# KiCad board AmigaPCI 68040.kicad_pcb (continued)
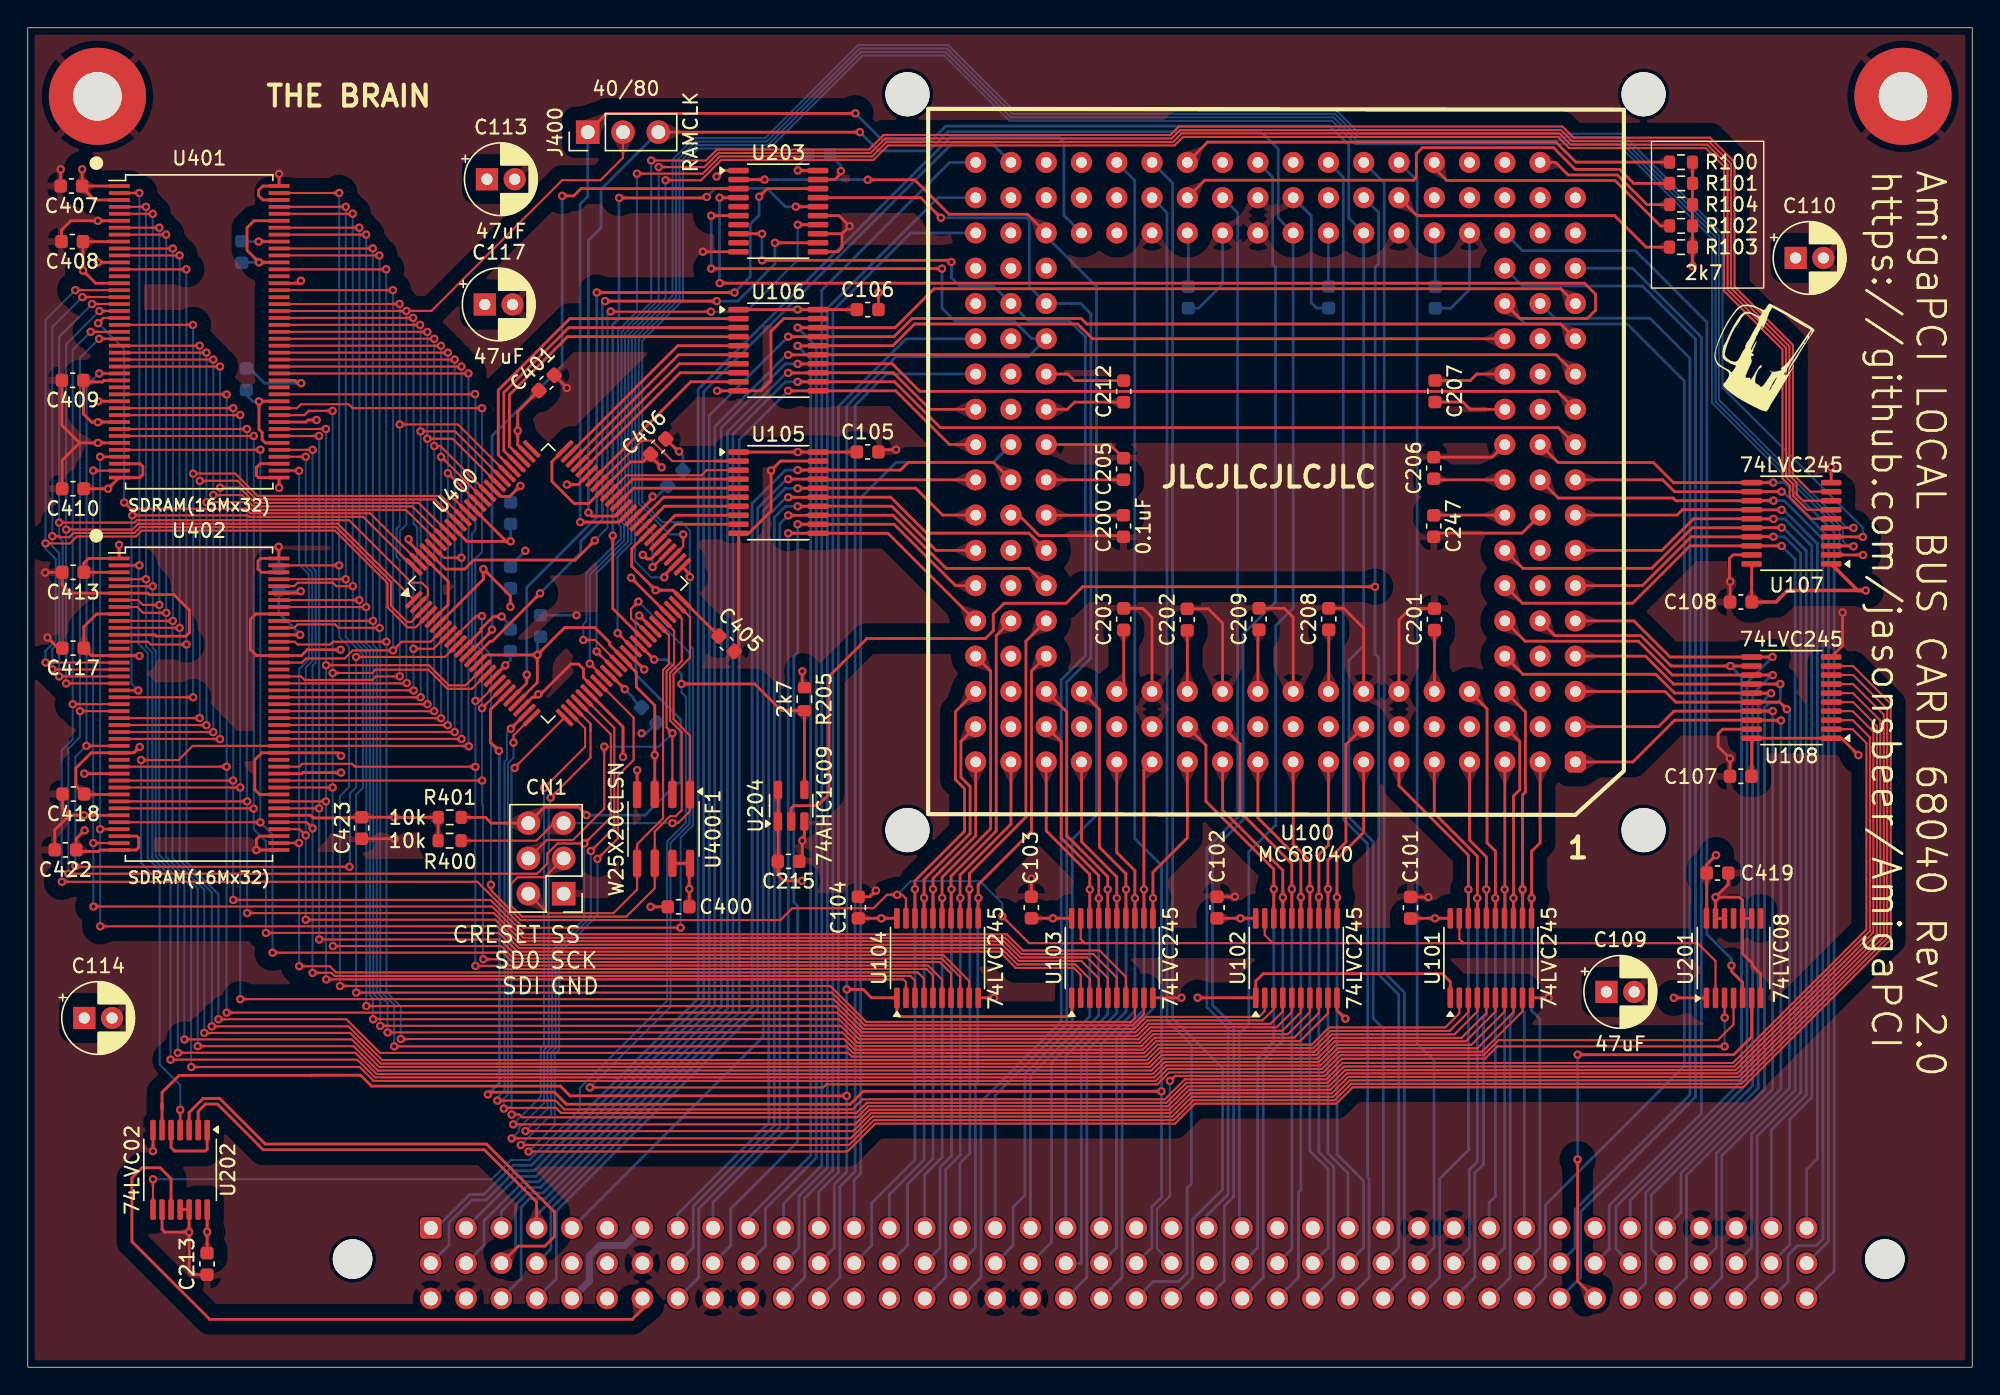
[diagram p0: board, top side]
## Routing (per net, layer and track width the routed paths; a pad name or vN(x,y) marks a point on that pad's centre or on a via; arc(x,y) is an arc through that point) (continued)
D0: length 41.5
  Top w0.2: U101.12 107.62,34.41 107.62,34.41 107.62,34.42 107.62,41.22 107.83,41.43 107.83,47.19 U100.39
  Bottom w0.2: v1(107.63,34.41) 107.63,25.69 107.76,25.56 CN100.a32
D1: length 44
  Top w0.2: U101.13 106.97,41.14 107.43,41.59 107.43,45.05 U100.21
  Bottom w0.2: v1(106.98,33.78) 106.98,25.37 106.73,25.13 106.73,6.47 CN100.c31
D2: length 41
  Top w0.2: U101.15 105.67,37.17 105.07,37.77 105.07,47.41 U100.40
  Bottom w0.2: v1(105.67,33.78) 105.67,12.31 105.22,11.86 CN100.a31
D3: length 38.5
  Top w0.2: 108.27,32.33 108.27,33.78 v1(108.28,33.78) 108.27,33.79 108.27,37.15 108.89,37.76 U100.2
  Bottom w0.2: v1(108.28,33.78) 108.28,25.69 108.87,25.1 108.87,8.61 CN100.b32
D4: length 38.7
  Top w0.2: U100.3 106.35,32.36
  Bottom w0.2: CN100.b31 106.33,8.61 106.33,26 106.38,26.04 106.38,34.37 v1(106.34,34.41)
D5: length 42.2
  Top w0.2: U101.16 105.02,36.75 103.81,37.96 U100.4
  Bottom w0.2: v1(105.02,34.41) 105.02,25.34 104.82,25.14 104.82,14.61 104.19,13.99 104.19,6.47 CN100.c30
D6: length 39.5
  Top w0.2: U100.5 101.27,39.9 104.37,36.8 U101.17
  Bottom w0.2: v1(104.37,33.78) 104.37,14.8 103.79,14.23 103.79,8.61 CN100.b30
D7: length 44.3
  Top w0.2: U100.6 98.73,41.87 103.72,36.88 U101.18
  Bottom w0.2: v1(103.73,34.41) 103.73,15.74 103.78,15.69 101.65,13.57 101.65,6.47 CN100.c29
D8: length 39.9
  Top w0.2: U100.25 94.91,44.85 94.91,37.82 93.61,36.52 v1(93.61,34.44) 93.61,32.33
  Bottom w0.2: CN100.a27 95.06,13.97 93.61,15.42 v1(93.61,34.44)
D9: length 39.7
  Top w0.2: U102.11 v1(94.26,33.84) 94.26,36.61 96.19,38.53 U100.7
  Bottom w0.2: v1(94.26,33.84) 94.26,15.33 96.17,13.42 96.17,8.61 CN100.b27
D10: length 41.5
  Top w0.2: U100.8 93.65,37.6 92.96,36.92 v1(92.96,33.86) U102.13
  Bottom w0.2: CN100.c26 94.03,6.47 94.03,14.43 92.96,15.5 v1(92.96,33.86)
D11: length 39.7
  Top w0.2: U102.14 v1(92.31,34.43) 92.31,36.48 91.11,37.68 U100.9
  Bottom w0.2: v1(92.31,34.43) 92.31,15.58 93.63,14.26 93.63,8.61 CN100.b26
D12: length 42.1
  Top w0.2: U100.10 88.57,39.56 91.66,36.47 v1(91.66,33.85) U102.15
  Bottom w0.2: v1(91.66,33.85) 91.66,12.75 91.49,12.58 91.49,6.47 CN100.c25
D13: length 43.2
  Top w0.2: U100.11 86.03,40.12 90.36,35.79 v1(90.36,33.84) U102.17
  Bottom w0.2: v1(90.36,33.84) 90.36,23.52 88.95,22.11 88.95,6.47 CN100.c24
D14: length 42.7
  Top w0.2: U100.12 83.49,38.12 81.01,35.65 81.01,32.33
  Bottom w0.2: v1(81.02,33.78) 81.02,25.83 78.79,23.61 78.79,6.47 CN100.c20
D15: length 39.7
  Top w0.2: U103.12 80.36,43.01 U100.13
  Bottom w0.2: CN100.b20 78.39,8.61 78.39,23.77 80.37,25.75 v1(80.37,34.41)
D16: length 43.2
  Top w0.2: 91.01,32.33 v1(91.01,34.44) 91.01,36.27 87.29,39.99 87.29,44.87 U100.29
  Bottom w0.2: CN100.b25 91.01,8.53 v1(91.01,34.44)
D17: length 36.6
  Top w0.2: U103.13 79.71,35.77 78.41,37.07 U100.14
  Bottom w0.2: CN100.a20 77.28,23.24 79.72,25.68 v1(79.72,33.78)
D18: length 44.3
  Top w0.2: U100.30 84.83,44.79 84.83,40.76 89.71,35.87 v1(89.71,34.43) U102.18
  Bottom w0.2: v1(89.71,34.43) 89.71,23.43 88.55,22.27 88.55,8.61 CN100.b24
D19: length 40.8
  Top w0.2: U100.15 75.87,37.85 78.41,35.31 U103.15
  Bottom w0.2: v1(78.41,33.78) 78.41,25.5 75.85,22.95 75.85,7.51 75.83,7.49 CN100.b19
D20: length 38.7
  Top w0.2: U100.16 73.33,38.63 76.46,35.5 U103.18
  Bottom w0.2: v1(76.47,34.41) 76.47,25.26 72.2,20.99 CN100.a18
D21: length 42.7
  Top w0.2: U100.17 70.79,39.12 67.13,35.45 U104.13
  Bottom w0.2: CN100.c15 66.09,6.47 66.09,14.24 67.15,15.29 v1(67.15,33.8)
D22: length 43.7
  Top w0.2: U100.34 74.41,45.05 74.41,38.12 77.11,35.41 77.11,32.33
  Bottom w0.2: CN100.b18 73.71,9.01 73.71,21.94 77.11,25.33 v1(77.11,33.78)
D23: length 48.9
  Top w0.2: U103.14 79.06,35.55 77.16,37.45 77.16,47.38 U100.51
  Bottom w0.2: v1(79.08,34.41) 79.08,25.61 76.25,22.78 76.25,6.47 CN100.c19
D24: length 40.8
  Top w0.2: U100.18 68.25,38.27 65.18,35.2 U104.16
  Bottom w0.2: CN100.b14 63.34,8.79 63.34,13.18 65.18,15.02 v1(65.18,34.43)
D25: length 43.8
  Top w0.2: U100.52 74.81,47.19 74.81,38.28 77.76,35.33 U103.16
  Bottom w0.2: CN100.a19 74.74,22.4 77.76,25.42 v1(77.76,34.41)
D26: length 40.7
  Top w0.2: U100.36 67.19,45.07 67.19,42.49 67.85,41.83 67.85,38.44 64.54,35.13 v1(64.54,33.8) 64.54,32.34
  Bottom w0.2: v1(64.54,33.8) 64.54,14.95 62.04,12.45 CN100.a14
D27: length 47.8
  Top w0.2: U104.11 68.43,34.75 72.27,38.59 72.27,50.15 U100.58
  Bottom w0.2: v1(68.45,33.8) 68.4,33.75 68.4,20.58 68.23,20.41 68.23,8.61 CN100.b16
D28: length 47.5
  Top w0.2: U104.18 63.88,35.03 67.45,38.6 67.45,41.66 66.79,42.33 66.79,47.21 U100.54
  Bottom w0.2: CN100.b13 60.77,8.76 60.77,11.83 63.88,14.94 v1(63.88,34.43)
D29: length 48.4
  Top w0.2: U100.64 71.87,52.29 71.87,39.63 67.8,35.56 v1(67.8,34.43) 67.78,34.41 U104.12
  Bottom w0.2: CN100.a16 67.12,14.7 67.83,15.41 67.83,34.4 v1(67.8,34.43)
D30: length 50.9
  Top w0.2: U100.65 69.73,52.69 69.73,38.62 66.48,35.37 U104.14
  Bottom w0.2: v1(66.51,34.43) 66.51,15.22 65.69,14.4 65.69,8.61 CN100.b15
D31: length 45.1
  Top w0.2: U104.15 65.83,35.28 69.33,38.78 69.33,50.13 U100.60
  Bottom w0.2: v1(65.84,33.8) 65.84,15.11 64.58,13.85 CN100.a15
EMA0: length 57.3
  Top w0.15: U400.95 27.23,61.75 16.13,61.75 15.58,62.3 v1(12.87,62.3) ; v1(12.87,73.07) 12.86,73.07 U401.25 ; U402.25 12.85,46.25 v1(12.86,46.24)
  Bottom w0.15: v1(12.87,73.07) v1(12.87,62.3) 12.87,46.24 v1(12.86,46.24)
EMA1: length 58.2
  Top w0.15: v1(13.36,62.81) 15.43,62.81 16.24,62 27.68,62 U400.94 ; U401.26 v1(13.36,72.57) ; v1(13.36,45.74) 13.35,45.75 U402.26
  Bottom w0.15: v1(13.36,45.74) v1(13.36,62.81) v1(13.36,72.57)
EMA2: length 59.1
  Top w0.15: v1(13.84,45.24) 13.83,45.25 U402.27 ; v1(13.84,63.34) 15.25,63.34 16.34,62.25 28.14,62.25 U400.93 ; v1(13.84,72.07) 13.84,72.07 U401.27
  Bottom w0.15: v1(13.84,45.24) 13.84,45.24 v1(13.84,63.34) v1(13.84,72.07)
EMA3: length 55.4
  Top w0.15: U400.96 29.97,58.3 v1(31.23,58.3) ; v1(31.24,45.25) U402.60 ; U401.60 v1(31.23,72.07)
  Bottom w0.15: v1(31.24,45.25) 31.23,45.26 v1(31.23,58.3) v1(31.23,72.07)
EMA4: length 53.7
  Top w0.15: U402.61 30.74,45.75 v1(30.74,45.75) ; U400.89 30.73,62.49 v1(30.73,62.74) ; U401.61 v1(30.73,72.57)
  Bottom w0.15: v1(30.74,45.75) 30.73,45.75 v1(30.73,62.74) v1(30.73,72.57)
EMA5: length 54.2
  Top w0.15: U401.62 v1(30.25,73.07) ; U402.62 30.23,46.25 v1(30.24,46.24) ; 32.39,62.25 v1(30.25,64.39)
  Bottom w0.15: v1(30.24,46.24) 30.25,46.24 v1(30.25,64.39) v1(30.25,73.07)
EMA6: length 54.4
  Top w0.15: v1(29.75,73.57) 29.75,73.57 U401.63 ; v1(29.76,65.56) 29.78,65.56 U400.86 ; 29.75,46.75 U402.63
  Bottom w0.15: v1(29.76,46.74) 29.76,46.74 v1(29.76,65.56) 29.76,73.56 v1(29.75,73.57)
EMA7: length 54.4
  Top w0.15: v1(29.26,66.35) 29.7,66.35 U400.85 ; v1(29.26,74.07) 29.26,74.07 U401.64 ; U402.64 v1(29.27,47.25)
  Bottom w0.15: v1(29.27,47.25) 29.27,66.35 v1(29.26,66.35) v1(29.26,74.07)
EMA8: length 54.6
  Top w0.15: U400.83 30.59,66.87 v1(28.77,66.87) ; U401.65 28.76,74.57 v1(28.77,74.56) ; U402.65 v1(28.78,47.75)
  Bottom w0.15: v1(28.78,47.75) 28.78,66.86 v1(28.77,66.87) v1(28.77,74.56)
EMA9: length 54.5
  Top w0.15: U401.66 v1(28.25,75.07) ; v1(28.28,67.4) 30.77,67.4 U400.82 ; U402.66 v1(28.29,48.25)
  Bottom w0.15: v1(28.29,48.25) 28.29,67.39 v1(28.28,67.4) 28.28,75.04 v1(28.25,75.07)
EMA10: length 58.3
  Top w0.15: U400.91 29.3,62.5 16.44,62.5 15.1,63.84 v1(12.38,63.84) ; U401.24 v1(12.38,73.57) ; v1(12.39,46.75) U402.24
  Bottom w0.15: v1(12.38,73.57) 12.38,73.57 v1(12.38,63.84) 12.38,46.76 v1(12.39,46.75)
EMA11: length 58.2
  Top w0.15: v1(11.9,64.36) 14.94,64.36 16.55,62.75 29.76,62.75 U400.90 ; U401.21 v1(11.89,75.07) ; v1(11.91,48.25) U402.21
  Bottom w0.15: v1(11.89,75.07) 11.9,75.06 v1(11.9,64.36) 11.9,48.26 v1(11.91,48.25)
EMA12: length 53.8
  Top w0.15: U400.81 30.98,67.9 v1(26.78,67.9) ; v1(26.78,76.58) 26.77,76.57 U401.69 ; v1(26.79,49.76) 26.78,49.75 25.06,49.75 24.81,49.5 19.93,49.5 19.68,49.75 U402.69
  Bottom w0.15: v1(26.79,49.76) 26.78,49.77 26.78,58.13 26.55,58.36 26.55,60.39 26.78,60.62 v1(26.78,67.9) 26.78,76.58 v1(26.78,76.58)
EMCLKE: length 49.4
  Top w0.15: U402.67 27.78,48.75 ; U401.67 v1(27.75,75.57) ; v1(27.77,51.74) 29.21,51.74 U400.8
  Bottom w0.15: v1(27.75,75.57) 27.77,75.55 27.77,60.77 28.04,60.5 28.04,58.19 27.77,57.92 v1(27.77,51.74) 27.77,48.76 v1(27.79,48.74)
LVA0: length 14.4
  Top w0.2: U400.72 46.91,72.27 U106.7
LVA1: length 13.3
  Top w0.2: U400.69 47.73,70.97 U106.9
LVA2: length 11.9
  Top w0.15: 49.42,65.26 46.41,65.26 44.94,66.73 44.2,66.73 44.2,66.73 42.58,65.11
  Top w0.2: 42.58,65.11 U400.68 ; U105.2 49.42,65.26
LVA3: length 10
  Top w0.15: U105.3 48.88,64.61 48.51,64.24 43.12,64.24 42.7,63.81
  Top w0.2: 42.7,63.81 U400.66
LVA4: length 9.6
  Top w0.2: U105.4 43.55,63.96 U400.65
LVA5: length 8
  Top w0.2: U400.60 45.79,62.66 U105.6
LVA6: length 9.1
  Top w0.2: U400.64 43.61,63.31 U105.5
LVA7: length 6.8
  Top w0.2: U105.8 46.61,61.36 U400.57
LVA8: length 6.3
  Top w0.2: U400.56 46.67,60.71 U105.9
LVA9: length 7.5
  Top w0.2: U105.7 45.84,62.01 U400.59
LVA10: length 25.5
  Top w0.2: U106.2 39.03,75.52 33.88,70.37 33.88,65.71 U400.80
LVA11: length 23.2
  Top w0.2: U106.4 38.86,74.22 34.68,70.04 34.68,66.32 U400.78
LVA12: length 24.4
  Top w0.2: U400.79 34.28,66.02 34.28,70.2 38.95,74.87 U106.3
LVA13: length 15.4
  Top w0.2: U400.74 46.8,73.57 U106.5
LVA14: length 14.9
  Top w0.2: U400.73 46.85,72.92 U106.6
LVA15: length 14
  Top w0.2: U106.8 46.97,71.62 U400.71
LVA16: length 147.8
  Top w0.15: 62.16,88.75 82.26,88.75 82.87,89.36 110.49,89.36 111.29,88.55 121.13,88.55 122.89,86.79 122.89,77.82 127.09,73.62 127.09,64.32 128.35,63.06 129.84,63.06 ; 62.16,88.75 61.6,88.75 ; 62.16,88.75 61.62,88.75 60.58,87.7 49.63,87.7 48.84,86.91 v1(44.89,86.91) ; 41.48,49.66 v1(40.47,50.67)
  Bottom w0.15: v1(44.89,86.91) 44.89,76.7 42.74,74.55 42.74,60.87 42.94,60.67 42.94,59.55 40.47,57.08 v1(40.47,50.67)
LVA17: length 146.4
  Top w0.15: U107.8 127.82,62.41 127.36,62.87 127.36,63.7 126.84,64.22 126.84,73.52 122.64,77.72 122.64,86.69 121.02,88.3 111.19,88.3 110.38,89.11 82.98,89.11 82.36,88.5 61.72,88.5 60.68,87.45 49.73,87.45 48.71,86.44 v1(45.43,86.44) ; 42.18,50.33 v1(40.96,51.55)
  Bottom w0.15: v1(45.43,86.44) 45.43,76.88 42.99,74.45 42.99,60.97 43.21,60.75 43.21,59.46 40.96,57.21 v1(40.96,51.55)
LVA18: length 148.7
  Top w0.15: 51.75,86.95 51.75,86.95 53.82,86.95 ; 53.82,86.95 49.94,86.95 48.47,85.49 v1(45.92,85.49) ; 53.82,86.95 59.01,86.95 57.52,86.95 60.89,86.95 61.93,88 82.57,88 83.18,88.61 110.18,88.61 110.98,87.8 120.82,87.8 122.14,86.48 122.14,77.51 126.34,73.31 126.34,64.01 126.86,63.49 126.86,62.66 128.41,61.11 U107.6 ; 43.6,51.74 v1(42.47,52.87)
  Bottom w0.15: v1(45.92,85.49) 45.92,77.02 43.24,74.34 43.24,61.09 43.46,60.87 43.46,59.36 42.47,58.37 v1(42.47,52.87)
LVA19: length 148.2
  Top w0.15: U400.37 40.84,52.38 v1(39.99,52.38) ; U107.7 128.11,61.76 127.11,62.76 127.11,63.59 126.59,64.12 126.59,73.42 122.39,77.62 122.39,86.59 120.92,88.05 111.09,88.05 110.28,88.86 83.08,88.86 82.47,88.25 61.83,88.25 60.78,87.2 49.83,87.2 48.59,85.96 v1(43.86,85.96)
  Bottom w0.15: v1(39.99,52.38) 39.99,53.52 40.22,53.74 40.22,57.18 42.69,59.65 42.69,60.56 42.49,60.76 42.49,74.66 43.86,76.02 v1(43.86,85.96)
LVA20: length 143.5
  Top w0.15: 46.07,58.71 v1(44.98,57.62) ; U107.5 131.45,60.46 v1(131.46,60.45)
  Bottom w0.15: v1(131.46,60.45) 130.98,60.45 121.77,69.66 121.77,81.5 114.68,88.59 95.79,88.59 94.11,90.27 70.88,90.27 66.18,94.97 59.89,94.97 53.19,88.27 48.08,88.27 46.68,86.87 46.68,77.07 43.74,74.14 43.74,61.29 44.98,60.05 v1(44.98,57.62)
LVA21: length 143.4
  Top w0.15: v1(47.19,59.98) 47.19,59.12 U400.53
  Top w0.2: 129.91,59.15 131.44,59.15
  Bottom w0.15: v1(131.46,59.13) 131.06,59.13 130.68,59.5 130.68,60.39 121.52,69.56 121.52,81.4 114.58,88.34 95.69,88.34 94.01,90.02 70.78,90.02 66.08,94.72 59.99,94.72 53.29,88.02 48.18,88.02 46.93,86.76 46.93,76.97 43.99,74.03 43.99,62.22 46.23,59.98 v1(47.19,59.98)
LVA22: length 164.7
  Top w0.15: v1(41.02,36.61) 42.48,38.08 42.48,41.42 42.49,41.42 42.49,42.6 43.62,43.74 43.62,46.78 41.13,49.27 ; U108.9 131.42,50.5 134.13,47.79 134.13,30.8 123.49,20.16 95.39,20.16 94.21,18.98 84.03,18.98 82.6,17.55 61.03,17.55 59.01,15.53 v1(36.05,15.53)
  Bottom w0.15: v1(36.05,15.53) 37.94,17.42 37.94,22.56 38.26,22.88 38.26,29.78 41.02,32.54 v1(41.02,36.61)
LVA23: length 147.2
  Top w0.2: v1(45.83,56.89) 45.83,57.04 U400.52 ; 129.89,59.81 132.12,59.81
  Bottom w0.15: v1(45.83,56.89) 44.89,56.89 43.71,58.07 43.71,60.98 43.49,61.19 43.49,74.24 46.43,77.18 46.43,86.97 47.98,88.52 53.09,88.52 59.79,95.22 66.29,95.22 70.99,90.52 94.22,90.52 95.9,88.84 114.79,88.84 122.02,81.61 122.02,70.56 132.13,60.45 v1(132.13,59.8)
LVA24: length 239.8
  Top w0.15: v1(35.83,17.02) 35.84,17.01 59.43,17.01 60.72,18.3 82.29,18.3 83.72,19.73 93.9,19.73 95.08,20.91 123.18,20.91 133.38,31.11 133.38,46.58 131.41,48.55 U108.6 ; U401.23 v1(5.14,74.07) ; v1(3.76,47.25) U402.23 ; v1(2.92,35.54) 36.68,35.54 37.41,36.27 37.41,36.99 38.14,37.72 v1(40.07,37.72) 40.09,37.72 41.98,39.61 41.98,45.58 39.71,47.85
  Bottom w0.15: v1(2.92,35.54) 2.92,44.54 3.76,45.38 v1(3.76,47.25) 3.76,72.69 v1(5.14,74.07) ; v1(35.83,17.02) 37.43,18.61 37.43,22.75 37.76,23.08 37.76,29.99 40.07,32.3 v1(40.07,37.72)
LVA25: length 264.8
  Top w0.15: v1(2.46,34.96) 32.38,34.96 35.68,31.66 v1(47.01,31.66) ; v1(3.24,47.75) U402.22 ; U401.22 v1(4.53,74.57)
  Top w0.2: 129.91,58.5 132.14,58.5 ; U400.51 47.67,57.12 v1(47.67,56.91)
  Bottom w0.15: v1(47.01,31.66) 47.01,38.14 47.89,39.03 47.89,51.75 47.67,51.98 v1(47.67,56.91) 47.67,60.27 47.08,60.86 45.7,60.86 44.24,62.32 44.24,73.93 47.18,76.87 47.18,86.66 48.29,87.77 53.4,87.77 60.1,94.47 65.98,94.47 70.68,89.77 93.91,89.77 95.59,88.09 114.48,88.09 121.27,81.3 121.27,69.45 130.43,60.29 130.43,58.82 130.76,58.5 v1(132.14,58.5) ; v1(2.46,34.96) 2.44,34.98 2.44,44.42 3.24,45.22 v1(3.24,47.75) 3.24,73.28 v1(4.53,74.57)
LVA26: length 162
  Top w0.15: U400.30 42.23,46.04 42.23,38.86 v1(40.54,37.17) ; U108.8 131.43,49.85 133.88,47.4 133.88,30.91 123.39,20.41 95.28,20.41 94.1,19.23 83.93,19.23 82.49,17.8 60.92,17.8 59.13,16.01 v1(35.5,16.01)
  Bottom w0.15: v1(35.5,16.01) 37.69,18.2 37.69,22.66 38.01,22.98 38.01,29.89 40.54,32.42 v1(40.54,37.17)
LVA27: length 151.9
  Top w0.15: v1(35.06,43.16) 35.06,43.2 U400.26 ; U108.4 131.4,47.25 132.88,45.77 132.88,31.32 122.97,21.41 94.87,21.41 93.69,20.23 83.51,20.23 82.08,18.8 60.51,18.8 59.71,18 35.58,18 35.38,18.2 v1(34.84,18.2)
  Bottom w0.15: v1(35.06,43.16) 34.83,42.94 34.83,18.21 v1(34.84,18.2)
LVA28: length 159.9
  Top w0.15: 40.52,45.79 40.52,43.9 v1(37.64,41.02) ; 40.52,45.79 40.52,46.34 ; 40.52,45.79 40.52,46.34 U400.28 ; U108.7 131.43,49.2 133.63,47 133.63,31.01 123.28,20.66 95.18,20.66 94,19.48 83.82,19.48 82.39,18.05 60.82,18.05 59.25,16.48 v1(34.84,16.48)
  Bottom w0.15: v1(37.64,41.02) 37.6,40.98 37.6,40.29 37.51,40.2 37.51,23.19 37.18,22.86 37.18,19.03 35.36,17.21 35.36,17 v1(34.84,16.48)
LVA29: length 150.2
  Top w0.15: 36.26,46.79 34.97,45.51 v1(34.97,44.98) ; v1(34.28,18.62) 34.33,18.68 38.04,18.68 38.4,18.32 59.67,18.32 60.4,19.05 81.97,19.05 83.41,20.48 93.59,20.48 94.77,21.66 122.87,21.66 132.63,31.42 132.63,45.37 131.4,46.6 U108.3
  Bottom w0.15: v1(34.28,18.62) 34.28,19.34 34.58,19.65 34.58,43.5 34.97,43.89 v1(34.97,44.98)
LVA30: length 155.3
  Top w0.15: 59.55,17.48 59.69,17.63 ; 59.69,17.63 59.56,17.49 34.95,17.49 v1(34.95,17.49) ; 59.69,17.63 60.61,18.55 82.18,18.55 83.62,19.98 93.79,19.98 94.97,21.16 123.08,21.16 133.13,31.22 133.13,46.19 131.41,47.91 131.4,47.9 U108.5 ; v1(37.17,41.72) 37.18,41.72 40.13,44.67 40.13,46.02 39,47.14
  Bottom w0.15: v1(37.17,41.72) 37.17,23.2 36.93,22.96 36.93,19.47 v1(34.95,17.49)
LVA31: length 149.4
  Top w0.15: v1(33.8,19.21) 37.99,19.21 38.63,18.57 59.37,18.57 60.1,19.3 81.87,19.3 83.31,20.73 93.48,20.73 94.66,21.91 122.77,21.91 132.38,31.53 132.38,44.96 131.39,45.95 U108.2
  Top w0.2: U400.24 34.78,45.99 v1(34.78,45.98)
  Bottom w0.15: v1(34.78,45.98) 34.5,45.7 34.5,43.77 34.33,43.6 34.33,19.94 33.8,19.41 v1(33.8,19.21)
LVD0: length 166.5
  Top w0.15: U401.2 v1(8.04,84.57) ; v1(10.28,22.15) 23.72,22.15 25,20.87 81.11,20.87 81.97,21.73 93.07,21.73 94.31,22.97 104.37,22.97 106.97,25.57 U101.8 ; v1(8.04,57.75) U402.2
  Bottom w0.15: v1(8.04,84.57) v1(8.04,57.75) 7.97,57.69 7.97,52.11 8.63,51.45 8.63,36.67 10.28,35.02 v1(10.28,22.15)
LVD1: length 164.7
  Top w0.15: v1(10.81,22.65) 23.58,22.65 25.11,21.12 81,21.12 81.86,21.98 92.96,21.98 94.2,23.22 103.94,23.22 106.32,25.6 U101.7 ; v1(8.52,56.75) U402.4 ; U401.4 v1(8.51,83.57)
  Bottom w0.15: v1(10.81,22.65) 10.8,22.65 10.8,34.85 8.97,36.69 8.97,51.47 8.52,51.92 v1(8.52,56.75) 8.51,56.76 v1(8.51,83.57)
LVD2: length 162.5
  Top w0.15: v1(11.28,23.61) 23.33,23.61 25.32,21.62 80.8,21.62 81.66,22.48 92.76,22.48 94,23.72 103.23,23.72 105.02,25.51 U101.5 ; U402.5 8.99,56.25 v1(9,56.24) ; U401.5 9,83.07 v1(9,83.07)
  Bottom w0.15: v1(9,83.07) 9,56.24 v1(9,56.24) 9,51.79 9.22,51.57 9.22,36.79 11.28,34.73 v1(11.28,23.61)
LVD3: length 166.6
  Top w0.15: U401.7 v1(9.47,82.07) ; v1(9.48,54.9) 8.29,54.9 7.94,55.25 U402.7 ; v1(11.77,21.62) 23.9,21.62 24.9,20.62 81.21,20.62 82.07,21.48 93.17,21.48 94.41,22.72 104.71,22.72 107.62,25.63 U101.9
  Bottom w0.15: v1(11.77,21.62) 11.76,21.63 11.76,34.6 9.47,36.9 9.47,54.89 v1(9.48,54.9) 9.48,55.25 9.47,55.25 v1(9.47,82.07)
LVD4: length 163.3
  Top w0.15: v1(12.24,23.12) 23.46,23.12 25.21,21.37 80.9,21.37 81.76,22.23 92.86,22.23 94.1,23.47 103.53,23.47 105.67,25.61 U101.6 ; U401.8 v1(9.96,81.57) ; v1(9.97,54.33) 8.31,54.33 7.89,54.75 U402.8
  Bottom w0.15: v1(9.96,81.57) 9.96,54.74 9.97,54.74 9.94,54.72 9.94,36.78 12.23,34.49 12.23,23.13 v1(12.24,23.12)
LVD5: length 160.3
  Top w0.15: v1(10.45,53.75) U402.10 ; U401.10 v1(10.44,80.57) ; U101.4 104.37,25.62 102.72,23.97 93.89,23.97 92.65,22.73 81.55,22.73 80.69,21.87 25.42,21.87 23.21,24.08 12.71,24.08 v1(12.71,24.08)
  Bottom w0.15: v1(10.44,80.57) 10.45,80.57 v1(10.45,53.75) 10.42,53.72 10.42,36.67 12.71,34.38 v1(12.71,24.08)
LVD6: length 159.1
  Top w0.15: U401.11 10.93,80.07 v1(10.93,80.08) ; v1(13.25,24.55) 23.09,24.55 25.52,22.12 80.59,22.12 81.45,22.98 92.55,22.98 93.79,24.22 102.37,24.22 103.72,25.57 U101.3 ; v1(10.94,53.25) U402.11
  Bottom w0.15: v1(13.25,24.55) 13.25,24.56 13.25,34.19 10.94,36.51 v1(10.94,53.25) 10.93,53.26 v1(10.93,80.08)
LVD7: length 157.6
  Top w0.15: U401.13 v1(11.42,79.07) ; v1(13.73,25.06) 22.94,25.06 25.36,22.64 59.07,22.64 59.33,22.37 80.49,22.37 81.35,23.23 92.45,23.23 93.69,24.47 102.06,24.47 103.07,25.48 U101.2 ; v1(11.43,52.05) 8.86,52.05 8.66,52.25 U402.13
  Bottom w0.15: v1(13.73,25.06) 13.73,34.07 11.43,36.37 11.43,52.25 11.42,52.26 v1(11.42,79.07)
LVD8: length 140.1
  Top w0.15: U102.8 92.96,25.51 91.18,23.73 81.13,23.73 80.27,22.87 59.54,22.87 58.77,23.64 v1(26.86,23.64) ; v1(25.83,52.25) 21.97,52.25 21.77,52.05 19.43,52.05 19.23,52.25 U402.74 ; U401.74 v1(25.81,79.07)
  Bottom w0.15: v1(25.81,79.07) 25.81,79.07 25.81,52.27 v1(25.83,52.25) 25.83,27.01 26.86,25.98 v1(26.86,23.64)
LVD9: length 141.8
  Top w0.15: 93.61,26.61 93.61,25.49 91.61,23.48 81.24,23.48 80.38,22.62 59.43,22.62 58.94,23.11 v1(26.38,23.11) ; U401.76 25.31,80.07 v1(25.32,80.07) ; v1(25.34,53.24) 25.33,53.25 22.38,53.25 22.13,53.5 19.44,53.5 19.19,53.25 U402.76
  Bottom w0.15: v1(25.32,80.07) 25.33,80.05 25.33,53.25 v1(25.34,53.24) 25.34,51.9 25.38,51.86 25.38,27.11 26.38,26.1 v1(26.38,23.11)
LVD10: length 139.3
  Top w0.15: U102.7 92.31,25.57 90.72,23.98 81.03,23.98 80.17,23.12 59.64,23.12 58.65,24.11 v1(25.91,24.11) ; v1(24.86,53.75) U402.77 ; U401.77 24.83,80.57 v1(24.84,80.58)
  Bottom w0.15: v1(25.91,24.11) 25.91,26.22 25.13,27 25.13,51.76 24.86,52.03 v1(24.86,53.75) 24.84,53.77 v1(24.84,80.58)
LVD11: length 138.7
  Top w0.15: U102.6 91.66,25.57 90.32,24.23 80.93,24.23 80.07,23.37 59.74,23.37 58.53,24.59 v1(25.38,24.59) ; v1(24.37,54.74) 24.36,54.75 U402.79 ; U401.79 v1(24.37,81.57)
  Bottom w0.15: v1(25.38,24.59) 25.38,26.4 24.88,26.9 24.88,51.65 24.37,52.16 v1(24.37,54.74) v1(24.37,81.57)
LVD12: length 137.6
  Top w0.15: U401.80 v1(23.87,82.07) ; v1(23.88,55.25) U402.80 ; 91.01,26.61 91.01,25.57 89.92,24.48 80.82,24.48 79.96,23.62 59.85,23.62 58.41,25.06 v1(24.86,25.06)
  Bottom w0.15: v1(24.86,25.06) 24.85,25.07 24.85,26.57 24.63,26.8 24.63,51.55 23.88,52.3 v1(23.88,55.25) 23.88,55.26 23.88,82.06 v1(23.87,82.07)
LVD13: length 135.9
  Top w0.15: v1(23.4,83.08) 23.39,83.07 U401.82 ; U402.82 19.19,56.25 19.44,56.5 21.97,56.5 22.22,56.25 v1(23.41,56.25) ; U102.3 89.71,25.79 88.9,24.98 80.62,24.98 79.76,24.12 60.06,24.12 58.17,26.01 v1(24.38,26.01)
  Bottom w0.15: v1(24.38,26.01) 24.38,51.44 23.4,52.42 23.4,56.25 v1(23.41,56.25) 23.4,56.26 v1(23.4,83.08)
LVD14: length 126.1
  Top w0.15: v1(22.9,56.75) U402.83 ; v1(23.65,26.98) 57.9,26.98 60.26,24.62 79.55,24.62 80.36,25.43 U103.9 ; U401.83 v1(22.9,83.57)
  Bottom w0.15: v1(23.65,26.98) 23.64,26.99 23.64,41.24 24.13,41.72 24.13,51.34 22.9,52.57 v1(22.9,56.75) 22.9,56.75 v1(22.9,83.57)
LVD15: length 126.2
  Top w0.15: U402.85 v1(22.42,57.75) ; U103.8 79.71,25.14 79.45,24.87 60.37,24.87 57.78,27.46 v1(22.48,27.46) ; v1(22.43,84.57) U401.85
  Bottom w0.15: v1(22.48,27.46) 22.48,41.13 23.13,41.79 23.13,51.88 22.42,52.59 22.42,57.75 v1(22.42,57.75) 22.42,84.57 v1(22.43,84.57)
LVD16: length 138.4
  Top w0.15: v1(14.32,25.54) 58.29,25.54 59.95,23.87 79.86,23.87 80.72,24.73 89.47,24.73 90.36,25.62 U102.4 ; v1(14.32,43.25) U402.31 ; v1(14.32,70.06) 14.31,70.07 U401.31
  Bottom w0.15: v1(14.32,70.06) 14.32,43.25 v1(14.32,43.25) 14.31,43.25 14.31,25.54 v1(14.32,25.54)
LVD17: length 119.9
  Top w0.15: U103.7 79.06,28.12 77.17,30.01 71.65,30.01 70.48,31.18 35.78,31.18 33.31,33.66 v1(14.79,33.66) ; v1(14.79,42.25) U402.33 ; U401.33 v1(14.79,69.07)
  Bottom w0.15: v1(14.79,33.66) v1(14.79,42.25) 14.79,42.26 v1(14.79,69.07)
LVD18: length 135.6
  Top w0.15: v1(15.3,68.59) 15.28,68.57 U401.34 ; v1(15.3,41.75) U402.34 ; U102.2 89.06,25.65 88.64,25.23 80.51,25.23 79.65,24.37 60.16,24.37 58.02,26.51 v1(15.3,26.51)
  Bottom w0.15: v1(15.3,68.59) v1(15.3,41.75) v1(15.3,26.51)
LVD19: length 118.6
  Top w0.15: U401.36 v1(15.78,67.57) ; v1(15.79,32.71) 33.55,32.71 35.58,30.68 70.28,30.68 71.45,29.51 76.28,29.51 77.76,28.03 U103.5 ; v1(15.8,40.75) U402.36
  Bottom w0.15: v1(15.78,67.57) 15.78,40.77 v1(15.8,40.75) 15.79,40.75 15.79,32.71 v1(15.79,32.71)
LVD20: length 117.1
  Top w0.15: U401.37 16.27,67.07 v1(16.27,67.08) ; U402.37 16.25,40.25 v1(16.26,40.23) ; U103.2 75.81,28.26 75.31,28.76 71.14,28.76 69.97,29.93 35.27,29.93 33.92,31.28 v1(17.15,31.28)
  Bottom w0.15: v1(16.27,67.08) 16.27,40.24 v1(16.26,40.23) 16.26,38.75 17.15,37.87 v1(17.15,31.28)
LVD21: length 108.1
  Top w0.15: v1(16.75,66.08) 16.74,66.07 U401.39 ; v1(17.63,29.86) 34.21,29.86 34.88,29.18 65.66,29.18 66.48,28.36 U104.7 ; v1(16.75,39.24) 16.74,39.25 U402.39
  Bottom w0.15: v1(16.75,66.08) v1(16.75,39.24) 17.63,38.36 v1(17.63,29.86)
LVD22: length 110.8
  Top w0.15: U103.3 76.46,27.97 75.41,29.01 71.24,29.01 70.07,30.18 35.37,30.18 33.79,31.76 v1(5.22,31.76) ; v1(5.21,38.75) U402.40 ; U401.40 v1(5.21,65.57)
  Bottom w0.15: v1(5.22,31.76) 5.21,31.77 v1(5.21,38.75) v1(5.21,65.57)
LVD23: length 112.4
  Top w0.15: U103.6 78.41,28.06 76.71,29.76 71.55,29.76 70.38,30.93 35.68,30.93 33.43,33.18 v1(4.73,33.18) ; U401.42 4.72,64.57 v1(4.71,64.58) ; U402.42 v1(4.72,37.75)
  Bottom w0.15: v1(4.73,33.18) 4.72,33.19 v1(4.72,37.75) 4.71,37.76 v1(4.71,64.58)
LVD24: length 85.9
  Top w0.15: U401.45 19.53,64.57 v1(19.54,64.56) ; v1(19.54,28.88) 21.74,28.88 22.19,28.43 64.09,28.43 64.53,27.99 U104.4 ; v1(19.54,37.75) U402.45
  Bottom w0.15: v1(19.54,28.88) v1(19.54,37.75) 19.54,50.27 20.23,50.96 20.23,57.12 19.54,57.82 v1(19.54,64.56)
LVD25: length 98
  Top w0.15: v1(20.02,32.23) 33.67,32.23 35.47,30.43 70.17,30.43 71.34,29.26 75.85,29.26 77.11,28 77.11,26.61 ; v1(20.02,38.3) 19.57,38.75 U402.47 ; v1(20.02,65.57) U401.47
  Bottom w0.15: v1(20.02,65.57) 20.02,57.69 20.48,57.23 20.48,50.86 20.02,50.4 v1(20.02,38.3) v1(20.02,32.23)
LVD26: length 87.7
  Top w0.15: U402.48 20.07,39.25 v1(20.51,38.81) ; v1(20.51,66.07) U401.48 ; v1(20.51,28.41) 21.87,28.41 22.09,28.18 63.55,28.18 63.88,27.85 U104.3
  Bottom w0.15: v1(20.51,66.07) 20.51,57.57 20.73,57.35 20.73,50.76 20.51,50.53 v1(20.51,38.81) v1(20.51,28.41)
LVD27: length 91.3
  Top w0.15: v1(20.98,30.81) 33.99,30.81 35.12,29.68 65.92,29.68 67.78,27.83 U104.9 ; v1(20.98,67.07) U401.50 ; U402.50 v1(20.98,40.25)
  Bottom w0.15: v1(20.98,30.81) v1(20.98,40.25) 20.98,67.07 v1(20.98,67.07)
LVD28: length 101.7
  Top w0.15: 32.74,50.33 31.53,49.11 30.33,49.11 28.88,50.56 v1(21.47,50.56) ; v1(21.47,67.57) U401.51 ; U402.51 21.47,40.75 v1(21.47,40.75) ; U104.2 63.23,27.74 63.04,27.93 v1(21.49,27.93)
  Bottom w0.15: v1(21.47,67.57) 21.47,67.56 v1(21.47,50.56) v1(21.47,40.75) 21.47,27.94 v1(21.49,27.93)
LVD29: length 106.3
  Top w0.15: U104.8 67.13,28.12 65.82,29.43 34.99,29.43 34.09,30.33 v1(21.97,30.33) ; U401.53 19.92,68.57 20.23,68.88 v1(21.95,68.88) ; v1(21.95,50) 24.8,50 25.04,50.24 28.85,50.24 30.22,48.86 31.99,48.86 U400.16 ; U402.53 v1(21.95,41.75)
  Bottom w0.15: v1(21.95,68.88) v1(21.95,50) v1(21.95,41.75) 21.95,30.35 v1(21.97,30.33)
LVD30: length 106.6
  Top w0.15: 34.16,48.91 v1(32.71,47.46) ; U401.54 19.39,69.07 19.67,69.36 23.11,69.36 23.4,69.07 v1(32.71,69.07) ; U104.6 65.83,27.92 64.82,28.93 34.66,28.93 34.21,29.38 v1(32.8,29.38) ; v1(32.72,42.25) U402.54
  Bottom w0.15: v1(32.71,69.07) 32.71,58.71 32.23,58.23 32.23,52.08 32.71,51.6 v1(32.71,47.46) 32.71,42.26 v1(32.72,42.25) 32.72,40.51 32.78,40.45 32.78,29.41 v1(32.8,29.38)
LVD31: length 106.8
  Top w0.15: v1(32.23,43.24) 32.22,43.25 23.56,43.25 23.35,43.46 19.75,43.46 19.55,43.25 U402.56 ; U401.56 32.18,70.07 v1(32.2,70.09) ; v1(32.23,28.91) 34.23,28.91 34.46,28.68 64.71,28.68 65.18,28.22 U104.5 ; U400.18 32.53,47.99 v1(32.23,47.99)
  Bottom w0.15: v1(32.2,70.09) 32.23,70.06 32.23,60.29 31.98,60.04 31.98,51.98 32.23,51.72 v1(32.23,47.99) 32.23,43.25 v1(32.23,43.24) v1(32.23,28.91)
PCLK: length 158.3
  Top w0.2: U400.63 42.3,61.3 40.61,61.3 v1(40.37,61.55) ; J400.3 v1(59.92,88.95)
  Bottom w0.2: v1(59.92,88.95) 61.27,87.6 64.88,87.6 66.27,88.99 88.78,88.99 90.03,87.74 90.03,82.77 U100.135 91.11,54.67 89.86,53.42 89.86,39.01 89.81,39.01 87.91,37.11 87.91,36.78 87.92,36.77 87.92,24.73 87.23,24.04 87.23,16.25 87.24,16.24 87.24,10.23 ; v1(40.37,61.55) 40.37,81.15 41.28,82.06 41.28,84.83 J400.3
R_W: length 234.2
  Top w0.15: U202.6 9.67,18.51
  Top w0.2: U103.1 75.16,25.4 75.01,25.25 62.74,25.25 62.58,25.41 U104.1 60.75,26.61 60.15,27.21 v1(58.97,27.21) ; v1(49.21,79.12) v1(65.83,79.12) ; U202.6 9.67,18.98 9.67,18.69 ; 9.67,18.69 9.67,18.51 ; 9.67,18.69 9.67,19.79 10.9,21.02 20.37,21.02 20.38,21.03 23.96,21.03 24.75,20.25 38.34,20.25 39.04,19.55 58.96,19.55 v1(58.97,19.54) ; 51.4,82.94 49.21,82.94 v1(49.21,82.93) ; U101.1 102.42,27.77 101.85,28.34 88.95,28.34 88.41,27.81 U102.1 86.86,26.61 v1(84.23,26.61)
  In2.Cu w0.2: v1(58.97,27.21) 60.17,26.01 83.63,26.01 v1(84.23,26.61)
  Bottom w0.2: v1(65.83,79.12) 65.83,76.27 66.77,75.33 71.03,75.33 72.29,74.07 U100.112 72.04,72.78 62.52,72.78 58.97,69.23 v1(58.97,27.21) v1(58.97,19.54) 58.97,14.07 58.07,13.18 58.07,8.61 CN100.b12 ; v1(49.21,82.93) v1(49.21,79.12)
R_W-3V: length 49.3
  Top w0.15: v1(41.97,76.04) 41.98,76.02 v1(49.2,76.02)
  Top w0.2: U203.14 55.44,82.29 v1(55.44,82.28) ; v1(40.83,59.54) 39.42,58.13 32.1,58.13 31.45,57.48 30.08,57.48 U400.97
  Bottom w0.15: v1(40.83,59.54) 41.74,60.46 41.74,75.81 v1(41.97,76.04) ; v1(49.2,76.02) 51.72,76.02 55.44,79.74 v1(55.44,82.28)
RAMCLK: length 67.5
  Top w0.15: U402.68 27.27,49.25 v1(27.29,49.28) ; U401.68 27.26,76.07 v1(27.26,76.08) 29.06,76.08 38.48,85.49 41.24,85.49 42.86,87.11 J400.2
  Bottom w0.15: 27.26,49.31 27.26,58.02 26.8,58.48 26.8,60.24 27.26,60.7 v1(27.26,76.08)
SIZ0: length 102.6
  Top w0.2: 51.4,81.64 52.86,81.64 v1(52.87,81.63) ; v1(66.51,79.6) 66.39,79.72 v1(52.87,79.72)
  Bottom w0.2: CN100.c16 68.63,6.47 68.63,19.12 74.41,24.9 74.41,49.51 76.15,51.25 76.15,74.22 75.02,75.35 72.05,75.35 U100.119 69.55,77.85 67.12,77.85 66.51,78.46 v1(66.51,79.6) ; v1(52.87,81.63) v1(52.87,79.72)
SIZ0-3V: length 47.7
  Top w0.2: v1(53.8,80.98) 56.89,80.98 ; v1(41.57,76.78) v1(49.61,76.78) ; U400.13 33.29,52.29 33.44,52.29 36.89,55.73 v1(36.89,55.74)
  Bottom w0.2: v1(41.57,76.78) 41.37,76.58 41.37,61.04 39.82,59.49 39.82,58.67 v1(36.89,55.74) ; v1(53.8,80.98) 53.8,79.46 51.12,76.78 v1(49.61,76.78)
SIZ1: length 94.4
  Top w0.2: 57.13,84.24 64.29,84.24 v1(65.75,82.78)
  Bottom w0.2: CN100.a17 69.66,19.58 74.81,24.73 74.81,49.34 76.55,51.08 76.55,75.87 75.81,76.61 U100.118 72.12,77.82 72.12,82.59 71.93,82.78 v1(65.75,82.78)
SIZ1-3V: length 48.7
  Top w0.2: v1(33.43,53.12) 33.43,53.06 31.76,51.39 ; v1(38.48,84.36) 39.31,84.36 39.84,84.89 U203.3
  Bottom w0.2: v1(33.43,53.12) 33.43,67.07 38.48,72.12 v1(38.48,84.36)
TM0: length 71.7
  Bottom w0.2: U100.114 63.24,74.07 58.37,69.2 58.37,14.04 56.96,12.63 CN100.a12
TM1: length 75
  Bottom w0.2: U100.108 61.83,71.53 59.57,69.27 59.57,14.11 58.47,13.01 58.47,6.47 CN100.c12
TM2: length 65.2
  Bottom w0.2: CN100.a13 59.5,13.43 59.48,13.45 59.97,13.94 59.97,62.61 62.53,65.17 69.51,65.17 U100.95
TT0: length 165.6
  Top w0.2: v1(49.82,78.07) 112.08,78.07 112.88,77.28 112.88,76.12 112.29,75.53 107.43,75.53 U100.117 ; v1(49.81,84.23) 49.81,84.24 51.4,84.24
  Bottom w0.2: U100.117 107.83,75.13 115.17,75.13 119.28,71.03 119.28,21.7 109.27,11.7 109.27,6.47 CN100.c32 ; v1(49.82,78.07) 49.81,78.08 v1(49.81,84.23)
TT0-3V: length 48
  Top w0.2: v1(42.12,59.89) 42.12,54.64 U400.42 ; v1(48.89,84.29) 48.81,84.21 v1(42.58,84.21) ; v1(55.3,83.58) 55.3,83.59 U203.16
  Bottom w0.2: v1(42.12,59.89) 42.12,75.08 42.57,75.53 42.57,84.2 v1(42.58,84.21) ; v1(48.89,84.29) 49.5,84.9 53.23,84.9 54.55,83.58 v1(55.3,83.58)
TT1: length 81.5
  Bottom w0.2: U100.116 109.95,75.55 116.79,75.55 119.68,72.66 119.68,19.63 111.41,11.37 111.41,8.61 CN100.b33
UPA0: length 89
  Bottom w0.2: U100.123 107.63,77.87 116.25,77.87 120.08,74.05 120.08,19.47 111.81,11.2 111.81,6.47 CN100.c33
UPA1: length 81
  Bottom w0.2: U100.121 115.54,79.15 120.5,74.19 120.5,18.28 113.86,11.64 113.86,8.52 CN100.b34
Net-(U202-Pad1): length 5.4
  Top w0.2: U202.5 10.32,15.83 10.58,15.57 12.78,15.57 12.92,15.71 U202.1

## Copper pours and planes (outline as drawn; the poured copper is in the pictures)
+1V2 on In2.Cu: 36.26,59.3 30.81,64.72 37.22,70.95 48.03,60.66 42.78,55.56 47.78,50.85 37.36,40.64 27.52,50.86
+3V3 on In2.Cu: 0.01,96.5 139.99,96.5 139.99,-0.04 -0.01,-0.04
+5V on In2.Cu: 60.85,94.23 60.94,36.1 131.22,36.49 131.2,94.23
GND on Top: 0.02,96.47 140,96.47 139.97,-0.05 -0.03,-0.05
GND on Bottom: 0.03,96.46 140.01,96.46 140,0 0,0
GND on In1.Cu: 0.02,96.47 140,96.47 140,0.13 0,0.13

Small or netless copper shapes (teardrops, artwork), in the pictures only: 1109 on Top, 564 on Bottom, 2 on In2.Cu

## Text on the board
B.Silkscreen: A1 | CONNECTOR THIS SIDE!
F.Silkscreen: 40/80 | MC68040 | SS / SCK / GND | CRESET / SD0 / SDI | THE BRAIN | JLCJLCJLCJLC | 1 | AmigaPCI LOCAL BUS CARD 68040 Rev 2.0 / https://github.com/jasonsbeer/AmigaPCI
